# Altium PCB PonyProgFT.PcbDoc (continued)
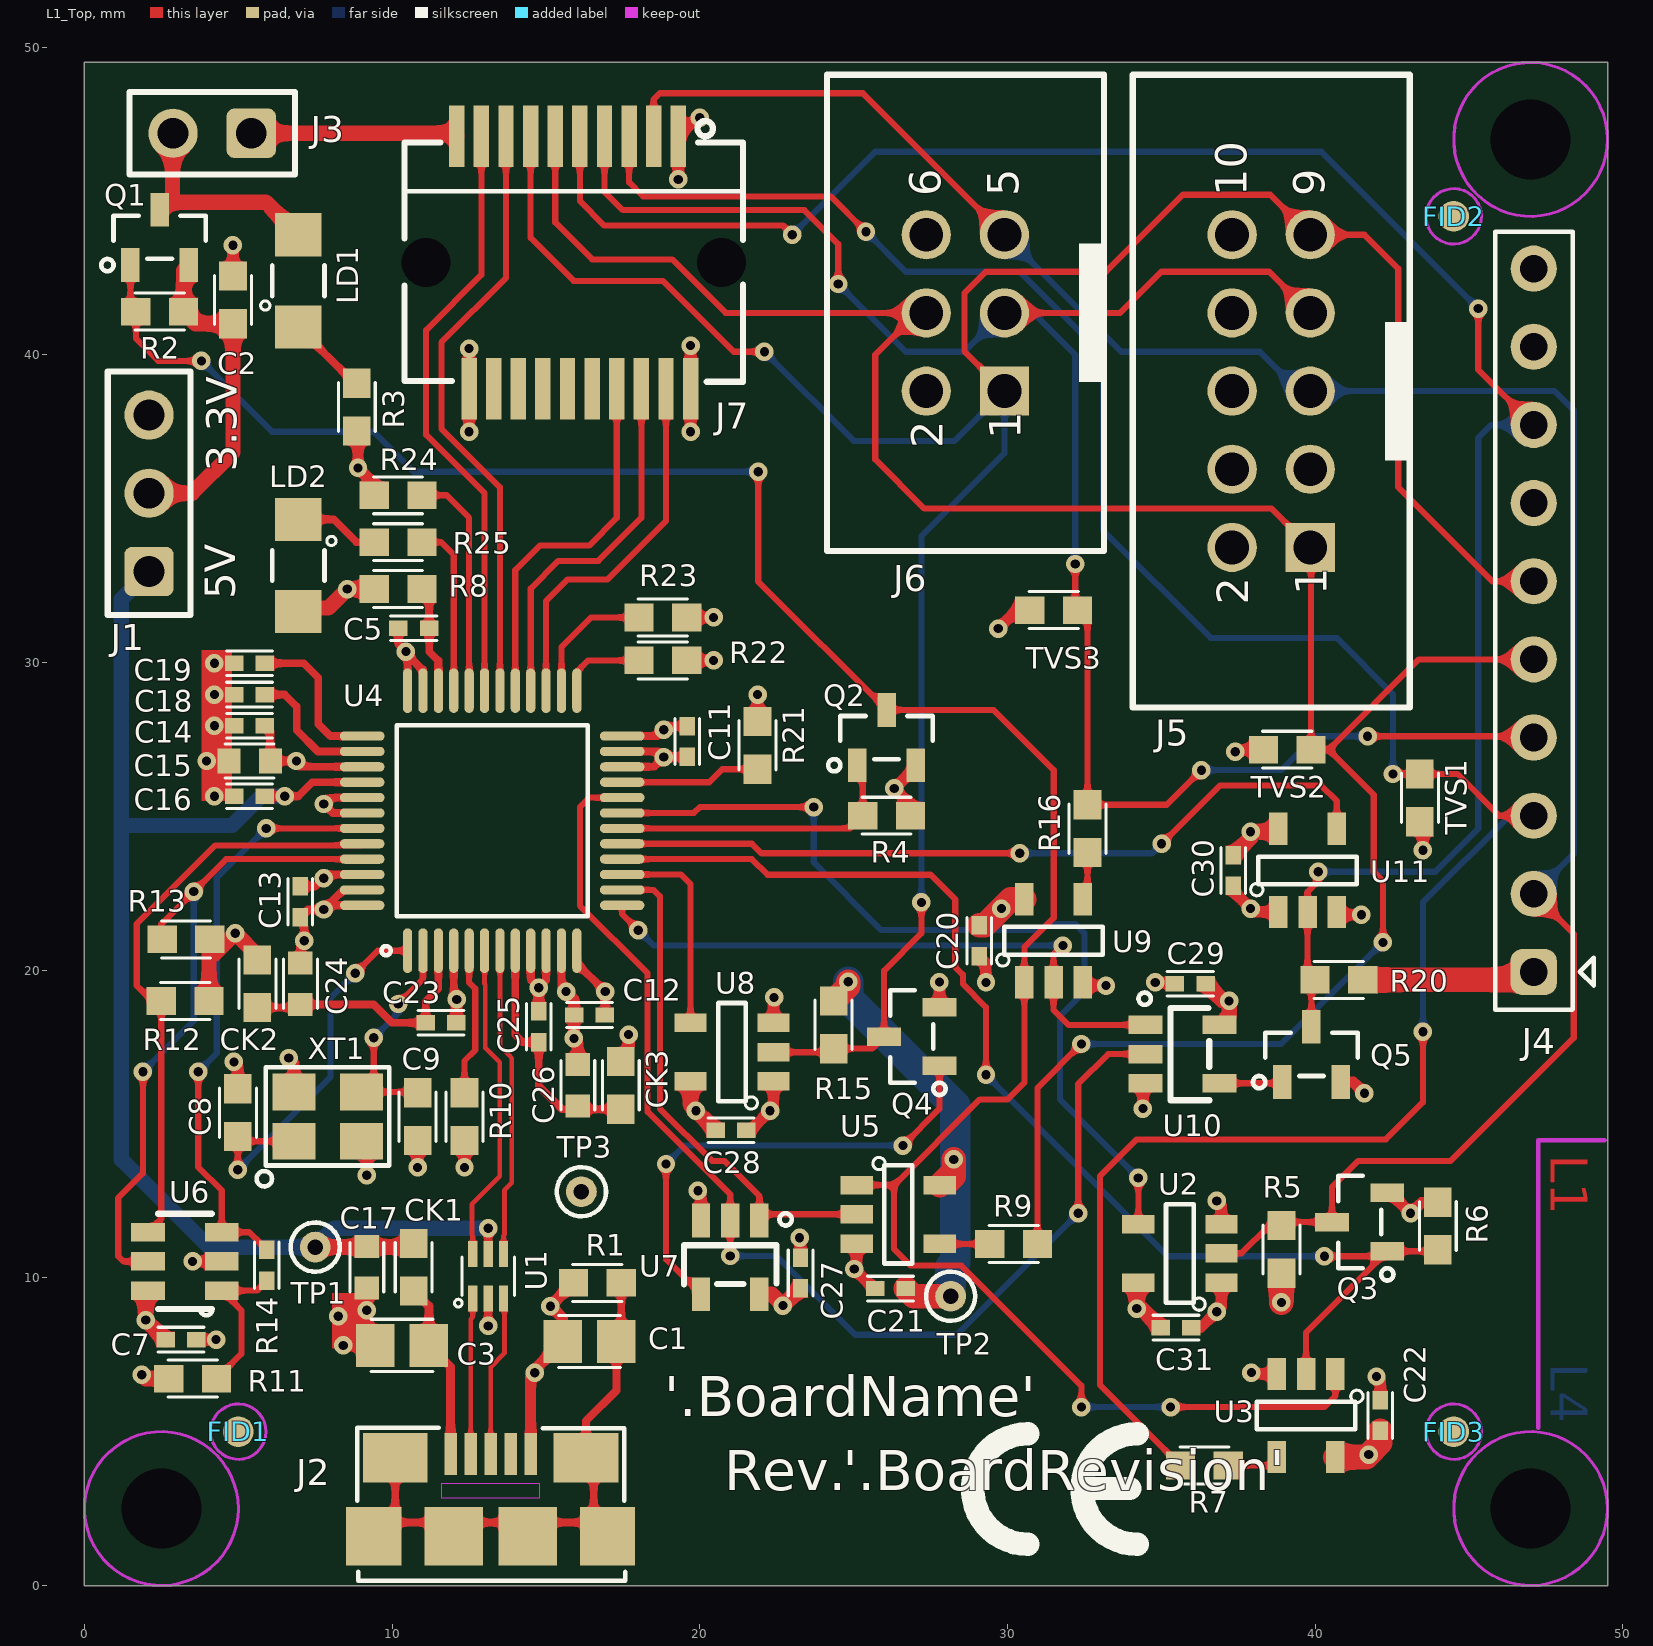
[diagram p0: L1_Top view]
## Components (designator, comment, footprint, x,y, rotation, side; value= is the part's Value field where it differs from the comment)
C1 "10nF/50V/0805/10%" C0805_M 16.415,7.931 r180 top
C2 "1uF/10V/0603/10%" C0603_M 4.826,41.783 r90 top
C3 "10nF/50V/0805/10%" C0805_M 10.319,7.804 r180 top
C5 "10nF/25V/0402/10%" C0402_H 10.7,31.115 r180 top
C7 "100nF/16V/0402/10%" C0402_H 3.134,7.993 r0 top
C8 "18pF/50V/0603/5%" C0603_M 4.985,15.367 r270 top
C9 "18pF/50V/0603/5%" C0603_M 10.827,15.24 r90 top
C11 "100nF/16V/0402/10%" C0402_H 19.59,27.432 r270 top
C12 "100nF/16V/0402/10%" C0402_H 16.415,18.542 r180 top
C13 "100nF/16V/0402/10%" C0402_H 7.017,22.225 r270 top
C14 "100nF/16V/0402/10%" C0402_H 5.366,27.94 r180 top
C15 "4.7uF/10V/0603/10%" C0603_H 5.366,26.797 r180 top
C16 "100nF/16V/0402/10%" C0402_H 5.366,25.654 r180 top
C17 "4.7uF/10V/0603/10%" C0603_H 9.176,10.344 r270 top
C18 "100nF/16V/0402/10%" C0402_H 5.366,28.956 r180 top
C19 "100nF/16V/0402/10%" C0402_H 5.366,29.972 r180 top
C20 "100nF/16V/0402/10%" C0402_H 29.083,20.955 r270 top
C21 "100nF/16V/0402/10%" C0402_H 26.194,9.652 r180 top
C22 "100nF/16V/0402/10%" C0402_H 42.118,5.524 r90 top
C23 "100nF/16V/0402/10%" C0402_H 11.589,18.288 r0 top
C24 "4.7uF/10V/0603/10%" C0603_H 7.017,19.558 r90 top
C25 "100nF/16V/0402/10%" C0402_H 14.764,18.161 r90 top
C26 "4.7uF/10V/0603/10%" C0603_H 16.034,16.256 r90 top
C27 "100nF/16V/0402/10%" C0402_H 23.273,10.16 r90 top
C28 "100nF/16V/0402/10%" C0402_H 21.014,14.794 r0 top
C29 "100nF/16V/0402/10%" C0402_H 35.941,19.558 r180 top
C30 "100nF/16V/0402/10%" C0402_H 37.338,23.241 r270 top
C31 "100nF/16V/0402/10%" C0402_H 35.474,8.383 r0 top
CK1 "600@100MHz/1A/0603" C0603_M 10.7,10.344 r270 top
CK2 "600@100MHz/1A/0603" C0603_M 5.62,19.558 r270 top
CK3 "600@100MHz/1A/0603" C0603_M 17.431,16.256 r270 top
FID1 "Fiducial" FID_1MM 5,5 r90 top locked
FID2 "Fiducial" FID_1MM 44.5,44.5 r90 top
FID3 "Fiducial" FID_1MM 44.5,5 r90 top
J1 "61300311121" CON_WE_61300311121 2.1,35.5 r90 top
J2 "10118192-0001LF" CON_FCI_10118192 13.2,1.6 r0 top locked
J3 "61300211121" CON_WE_61300211121 4.15,47.2 r180 top
J4 "75915-310LF" CON_FCI_75915-310LF 47.1,19.94 r90 top locked
J5 "61201021621" CON_WE_61201021621 38.57,38.82 r90 top locked
J6 "61200621621" CON_WE_61200621621 28.63,41.36 r90 top locked
J7 "10056847-101LF" CON_FCI_10056847-101LF 15.9,43 r180 top locked
LD1 "Red" LED_WL-SMCW_1206 6.95,42.4 r90 top
LD2 "Red" LED_WL-SMCW_1206 6.95,33.15 r270 top
Q1 "FDV304P" SOT23-3_H 2.445,43.815 r90 top
Q2 "BSS138" SOT23-3_H 26.067,27.559 r90 top
Q3 "BSS138" SOT23-3_H 41.443,11.812 r180 top
Q4 "BSS138" SOT23-3_H 26.888,17.842 r180 top
Q5 "BSS138" SOT23-3_H 39.878,17.261 r90 top
R1 "100K/1%/0603" C0603_M 16.669,9.836 r180 top
R2 "10K/1%/0603" C0603_M 2.445,41.402 r180 top
R3 "1K/1%/0603" C0603_M 8.85,38.3 r270 top
R4 "10K/1%/0603" C0603_M 26.067,25.019 r0 top
R5 "10K/1%/0603" C0603_M 38.903,10.923 r90 top
R6 "10K/1%/0603" C0603_M 43.983,11.685 r90 top
R7 "100R/1%/0603" C0603_M 36.4,3.9 r180 top
R8 "10K/1%/0603" C0603_M 10.192,32.385 r180 top
R9 "100R/1%/0603" C0603_M 30.2,11.1 r0 top
R10 "12K/1%/0603" C0603_M 12.351,15.24 r90 top
R11 "10K/1%/0603" C0603_M 3.515,6.723 r0 top
R12 "10K/1%/0603" C0603_M 3.272,18.996 r180 top
R13 "10K/1%/0603" C0603_M 3.3,21 r180 top
R14 "2.2K/1%/0402" C0402_H 5.928,10.406 r90 top
R15 "10K/1%/0603" C0603_M 24.348,18.223 r90 top
R16 "100R/1%/0603" C0603_M 32.6,24.6 r90 top
R20 "10K/1%/0603" C0603_M 40.767,19.685 r180 top
R21 "1K/1%/0603" C0603_M 21.876,27.305 r270 top
R22 "1K/1%/0603" C0603_M 18.796,30.067 r180 top
R23 "1K/1%/0603" C0603_M 18.796,31.464 r180 top
R24 "1K/1%/0603" C0603_M 10.192,35.433 r0 top
R25 "1K/1%/0603" C0603_M 10.192,33.909 r180 top
TP1 "non montare" TP-1MM 7.5,11 r90 top
TP2 "non montare" TP-1MM 28.15,9.4 r90 top
TP3 "non montare" TP-1MM 16.15,12.8 r90 top
TVS1 "82356050560" C0603_M 43.4,25.6 r90 top
TVS2 "82356050560" C0603_M 39.092,27.164 r0 top
TVS3 "82356050560" C0603_M 31.5,31.7 r0 top
U1 "USBLC6-2P6" SOT-666_M 13.121,10.053 r90 top
U2 "M74VHC1GT125DT1G" TSOP5-ON 35.601,10.796 r180 top
U3 "M74VHC1GT125DT1G" TSOP5-ON 39.705,5.524 r270 top
U4 "FT232HL" LQFP48_P50_M-STM 13.252,24.858 r90 top
U5 "M74VHC1GT125DT1G" TSOP5-ON 26.448,12.065 r0 top
U6 "93LC56BT-I/OT" SOT23-6_M 3.261,10.533 r180 top
U7 "74LVC1G02GV,125" SOT23-5_M 20.987,10.668 r270 top
U8 "M74VHC1GT125DT1G" TSOP5-ON 21.046,17.334 r180 top
U9 "M74VHC1GT125DT1G" TSOP5-ON 31.496,20.955 r90 top
U10 "74LVC1G02GV,125" SOT23-5_M 35.687,17.272 r0 top
U11 "M74VHC1GT125DT1G" TSOP5-ON 39.751,23.241 r90 top
XT1 "12MHz/Cap/4-SMD, 3.2x2.5mm" XTAL-NX3225SA 7.906,15.24 r0 top

## Footprints (in the part's own frame and the unit in brackets; to place one, negate y for a bottom-side part, rotate by r counter-clockwise, add the part's x,y. Pads: shape width x height; smd on the part's side, far side on the other; paste and mask are expansions set on the pad)
C0402_H [mm] "Chip 2-Leads, Body 1,0x0,5mm, IPC High Density"
  rect 0.6x0.5 smd: 1(-0.5,0) 2(0.5,0)
  silkscreen extent -0.75,-0.4 0.75,0.4, body extent -0.53,-0.28 0.53,0.28, height 0.55
C0603_H [mm] "Chip, 2-Leads, Body 1,6x0,8mm, IPC High Density"
  rect 0.75x0.8 smd: 1(-0.675,0) 2(0.675,0)
  silkscreen extent -0.8,-0.55 0.8,0.55, body extent -0.85,-0.45 0.85,0.45, height 0.9
C0603_M [mm] "Chip 2-Leads, Body 1,6x0,8mm, IPC Medium Density"
  rect 0.95x0.9 smd: 1(-0.775,0) 2(0.775,0)
  silkscreen extent -0.8,-0.6 0.8,0.6, body extent -0.85,-0.45 0.85,0.45, height 0.9
C0805_M [mm] "Chip  2-Leads, Body 2,0x1,3mm, IPC Medium Density"
  rect 1.25x1.4 smd: 1(-0.875,0) 2(0.875,0)
  silkscreen extent -1,-0.85 1,0.85, body extent -1.1,-0.72 1.1,0.73, height 1.35
CON_FCI_75915-310LF [mm]
  rrect50% 1.5x1.5 hole 0.9: 1(0,0)
  round 1.5 hole 0.9: 2(2.54,0) 3(5.08,0) 4(7.62,0) 5(10.16,0) 6(12.7,0) 7(15.24,0) 8(17.78,0) 9(20.32,0) 10(22.86,0)
  silkscreen extent -1.23,-1.95 24.05,1.25, body extent -1.26,-1.25 24.06,1.25, height 8.5
CON_FCI_10056847-101LF [mm]
  round 0.1 hole 1.6 unplated: 0(-4.8,0) 0(4.8,0)
  rect 0.5x2 smd: 1(-3.4,-4.1) 2(-2.6,-4.1) 3(-1.8,-4.1) 4(-1,-4.1) 5(-0.2,-4.1) 6(0.6,-4.1) 7(1.4,-4.1) 8(2.2,-4.1) 9(3,-4.1) 10(3.8,-4.1) 11(3.4,4.1) 12(2.6,4.1) 13(1.8,4.1) 14(1,4.1) 15(0.2,4.1) 16(-0.6,4.1) 17(-1.4,4.1) 18(-2.2,4.1) 19(-3,4.1) 20(-3.8,4.1)
  silkscreen extent -5.5,-4.6 5.5,3.87, body extent -5.5,-4.5 5.5,4.53, height 5.37
CON_FCI_10118192 [mm]
  rect 0.4x1.35 smd: 1(-1.3,2.675) 2(-0.65,2.675) 3(0,2.675) 4(0.65,2.675) 5(1.3,2.675)
  rect 1.8x1.9 smd: S1(-3.8,0) S2(3.8,0)
  rect 2.1x1.6 smd: S1(-3.1,2.55) S2(3.1,2.55)
  rect 1.9x1.9 smd: S1(-1.2,0) S2(1.2,0)
  L1_Top keep-out region: -1.6,1.25 1.6,1.25 1.6,1.7 -1.6,1.7
  silkscreen extent -4.33,-1.45 4.37,3.53, body extent -3.96,-2.72 3.96,2.94, height 2.79
CON_WE_61200621621 [mm] "6 pins, straight, gold plating"
  rect 1.6x1.6 hole 1.1: 1(-2.54,-1.27)
  round 1.6 hole 1.1: 2(-2.54,1.27) 3(0,-1.27) 4(0,1.27) 5(2.54,-1.27) 6(2.54,1.27)
  silkscreen extent -7.74,-4.5 7.74,4.5, body extent -7.64,-4.43 7.64,4.75, height 9.13
CON_WE_61201021621 [mm] "10 pins, straight, gold plating"
  rect 1.6x1.6 hole 1.1: 1(-5.08,-1.27)
  round 1.6 hole 1.1: 2(-5.08,1.27) 3(-2.54,-1.27) 4(-2.54,1.27) 5(0,-1.27) 6(0,1.27) 7(2.54,-1.27) 8(2.54,1.27) 9(5.08,-1.27) 10(5.08,1.27)
  silkscreen extent -10.28,-4.5 10.28,4.5, body extent -10.18,-4.42 10.18,4.75, height 9.13
CON_WE_61300211121 [mm] "Pin Header, pitch 2.54 mm, THT, Vertical, single row, 2p"
  rrect30% 1.6x1.6 hole 1: 1(-1.27,0)
  round 1.6 hole 1: 2(1.27,0)
  silkscreen extent -2.69,-1.35 2.69,1.35, body extent -2.54,-1.27 2.54,1.27, height 8.57
CON_WE_61300311121 [mm] "Pin Header, pitch 2.54 mm, THT, Vertical, single row, 3p"
  rrect30% 1.6x1.6 hole 1: 1(-2.54,0)
  round 1.6 hole 1: 2(0,0) 3(2.54,0)
  silkscreen extent -3.96,-1.35 3.96,1.35, body extent -3.81,-1.27 3.81,1.27, height 8.57
FID_1MM [mm]
  round 1 smd paste-0.5 mask+0.3: 1(0,0)
  L1_Top keep-out circle w0.1: c0,0 r0.9
LED_WL-SMCW_1206 [mm] "SMD Mono-color Chip LED, body 3.2x1.6mm"
  rect 1.4x1.5 smd: A(1.5,0) K(-1.5,0)
  silkscreen extent -0.95,-0.85 0.5,1.22, body extent -1.6,-0.8 1.6,0.8, height 0.7
LQFP48_P50_M-STM [mm] "TSQFP, 48-Leads, Body 7,00x7,00mm, Pitch 0,50mm, IPC Medium Density"
  oval 1.45x0.3 smd: 1(-4.225,2.75) 2(-4.225,2.25) 3(-4.225,1.75) 4(-4.225,1.25) 5(-4.225,0.75) 6(-4.225,0.25) 7(-4.225,-0.25) 8(-4.225,-0.75) 9(-4.225,-1.25) 10(-4.225,-1.75) 11(-4.225,-2.25) 12(-4.225,-2.75) 25(4.225,-2.75) 26(4.225,-2.25) 27(4.225,-1.75) 28(4.225,-1.25) 29(4.225,-0.75) 30(4.225,-0.25) 31(4.225,0.25) 32(4.225,0.75) 33(4.225,1.25) 34(4.225,1.75) 35(4.225,2.25) 36(4.225,2.75)
  oval 0.3x1.45 smd: 13(-2.75,-4.225) 14(-2.25,-4.225) 15(-1.75,-4.225) 16(-1.25,-4.225) 17(-0.75,-4.225) 18(-0.25,-4.225) 19(0.25,-4.225) 20(0.75,-4.225) 21(1.25,-4.225) 22(1.75,-4.225) 23(2.25,-4.225) 24(2.75,-4.225) 37(2.75,4.225) 38(2.25,4.225) 39(1.75,4.225) 40(1.25,4.225) 41(0.75,4.225) 42(0.25,4.225) 43(-0.25,4.225) 44(-0.75,4.225) 45(-1.25,4.225) 46(-1.75,4.225) 47(-2.25,4.225) 48(-2.75,4.225)
  silkscreen extent -4.37,-3.1 3.1,3.6, body extent -4.5,-4.5 4.5,4.5, height 1.6
SOT23-3_H [mm] "SOT23, 3-Leads, Body 3,0x2,5mm (max), Pitch 0,95mm, IPC High Density"
  rect 1.1x0.6 smd: 1(-0.9,0.95) 2(-0.9,-0.95) 3(0.9,0)
  silkscreen extent -1.1,-1.5 0.7,1.9, body extent -1.25,-1.5 1.25,1.5, height 1.13
SOT23-5_M [mm] "SOT23, 5-Leads, Body 3,0x3,0mm (max), Pitch 0,95mm, IPC Medium Density"
  rect 1.1x0.6 smd: 1(-1.2,0.95) 2(-1.2,0) 3(-1.2,-0.95) 4(1.2,-0.95) 5(1.2,0.95)
  silkscreen extent -1.43,-1.5 0.88,2, body extent -1.5,-1.55 1.5,1.55, height 1.1
SOT23-6_M [mm] "SOT23, 6-Leads, Body 3,1x3,0mm (max), Pitch 0,95mm, IPC Medium Density"
  rect 1.1x0.6 smd: 1(-1.2,0.95) 2(-1.2,0) 3(-1.2,-0.95) 4(1.2,-0.95) 5(1.2,0) 6(1.2,0.95)
  silkscreen extent -0.9,-1.55 0.87,1.75, body extent -1.4,-1.45 1.4,1.45, height 1.46
SOT-666_M [mm] "SOT666 (SC-89), 6-Leads, Body 1,7x1,7mm (max), Pitch 0,50mm, IPC Medium Density"
  rect 0.85x0.3 smd: 1(-0.725,0.5) 2(-0.725,0) 3(-0.725,-0.5) 4(0.725,-0.5) 5(0.725,0) 6(0.725,0.5)
  silkscreen extent -1,-0.85 0.62,1.09, body extent -0.63,-0.85 0.63,0.85, height 0.6
TP-1MM [mm] "TP foro=0.5mm pad=1mm"
  round 1 hole 0.5: 1(0,0)
  silkscreen extent -0.8,-0.8 0.8,0.8
TSOP5-ON [mm] "SOT23, 5-Leads, Body 3,00x2,75mm, Pitch 0,95mm, IPC Medium Density"
  rect 1.05x0.6 smd: 1(-1.35,0.95) 2(-1.35,0) 3(-1.35,-0.95) 4(1.35,-0.95) 5(1.35,0.95)
  silkscreen extent -0.82,-1.6 0.45,1.85, body extent -1.5,-1.58 1.5,1.58, height 1.1
XTAL-NX3225SA [mm] "crystal 3.2x2.5mm 4pin"
  rect 1.4x1.2 smd: 1(-1.1,-0.8) 2(1.1,-0.8) 3(1.1,0.8) 4(-1.1,0.8)
  silkscreen extent -2.31,-2.27 2,1.61, body extent -1.68,-1.32 1.69,1.31, height 0.81

## Part data
C1 C3: library part CX7R10N50V10%0805_CL, "Chip Ceramic Capacitor X7R 0805 10nF 50V 10%"
C2: library part CX5R1U10V10%0603_GRM, "Chip Ceramic Capacitor X5R 0603 1uF 10V 10%"
C5: library part CX7R10N25V10%0402_GRM, "Chip Ceramic Capacitor X7R 0402 10nF 25V 10%"
C7 C11 C12 C13 C14 C16 C18 C19 C20 C21 C22 C23 C25 C27 C28 C29 C30 C31: library part CX7R100N16V10%0402_GRM, "Chip Ceramic Capacitor X7R 0402 100nF 16V 10%"
C8 C9: library part CCOG18P50V5%0603_KEMET, "Chip Ceramic Capacitor C0G 0603 18pF 50V 5%"
C15 C17 C24 C26: library part CX5R4.7U10V10%0603_TDK, "Chip Ceramic Capacitor X5R 0603 4.7uF 10V 10%"
CK1 CK2 CK3: library part FCB600Z1A0603MPZ, "Ferrite Chip Beads SMD 0603 600@100MHz 1A"
FID1 FID2 FID3: library part FID, "Fiducial (non montare)"
J1: library part CON_WE_61300311121, "THT Vertical Pin Header Male WR-PHD, Pitch 2.54 mm, Single Row, 3 pins"
J2: library part CON_FCI_10118192-0001LF, "Micro-USB Type-B, right-angle, horizontal receptacle"
J3: library part CON_WE_61300211121, "THT Vertical Pin Header Male WR-PHD, Pitch 2.54 mm, Single Row, 2 pins"
J4: library part CON_FCI_75915-310LF, "CONN RCPT 10POS 0.1 GOLD PCB"
J5: library part CON_WE_61201021621, "Male Box Header WR-BHD, THT, Vertical, pitch 2.54 mm, 10 pins"
J6: library part CON_WE_61200621621, "Male Box Header WR-BHD, THT, Vertical, pitch 2.54 mm, 6 pins"
J7: library part CON_FCI_10056847-101LF, "Connector edge dual female 20 pos, 0.8pitch"
LD1 LD2: library part LED_WE_150120RS75000, "Chip LED SMD WL-SMCW, size 1206, Red, 2V, 140 deg, 150 mcd"
Q1: library part IC_FDV304P, "IC MOSFET P-CH 25V 460mA SOT-23"
Q2 Q3 Q4 Q5: library part IC_BSS138, "MOSFET N-CH 50V 0.22A SOT-23"
R1: library part CRES100K1%100P0603T_CRCW, "Chip Resistor 0603 100K 1% 100ppm"
R2 R4 R5 R6 R8 R11 R12 R13 R15 R20: library part CRES10K1%100P0603T_CRCW, "Chip Resistor 0603 10K 1% 100ppm"
R3 R21 R22 R23 R24 R25: library part CRES1K1%100P0603T_CRCW, "Chip Resistor 0603 1K 1% 100ppm"
R7 R9 R16: library part CRES100R1%100P0603T_CRCW, "Chip Resistor 0603 100R 1% 100ppm"
R10: library part CRES12K1%100P0603T_CRCW, "Chip Resistor 0603 12K 1% 100ppm"
R14: library part CRES2.2K1%100P0402U_CRCW, "Chip Resistor 0402 2.2K 1% 100ppm"
TP1 TP2 TP3: library part TP_TPH-1MM, "Test Point, D=1mm (Foro 0.5mm), non montare"
TVS1 TVS2 TVS3: library part TVSP_WE-82356050560, "Chip ESD suppressor bidirectional 5V 0603"
U1: library part IC_USBLC6-2P6, "TVS 2 line, Low cap, 5V, SOT666"
U2 U3 U5 U8 U9 U11: library part IC_M74VHC1GT125DT, "IC BUFFER NON-INVERT 5.5V 5-TSOP"
U4: library part IC_FT232HL, "IC HS USB TO UART/FIFO 48LQFP"
U6: library part IC_93LC56BT-I/OT, "IC EEPROM 2K SPI 2MHz SOT23-6"
U7 U10: library part IC_74LVC1G02GV, "IC GATE NOR 1CH 2-INP 5-TSOP"
XT1: library part XTAL_NX3225SA-12MHZ-STD-CSR-6, "Xtal SMD 12MHz 8pF 25ppm (-40 to 85)"

## Free pads (board coordinates)
  round 0.1 hole 2.6 unplated: 0(2.5,2.5) 0(47,2.5) 0(47,47)

## Via types
v1: diameter 0.6, hole 0.3, L1_Top to L4_Bottom, tented both sides, 119 vias

## Nets (pads, with @x,y where several pads share a name; then routed paths per layer and width w, separated by ;. In a path a pad name is that pad's centre, name@x,y a point inside that pad or via, vN(x,y) a via of type N, cw(c..) or ccw(c..) an arc to the next point about the centre after c; other vN are vias at no path point)
B_CLK: U4.13 U9.2 U10.1 | length 20.4
  L1_Top w0.2: U4.13 17.477,21.823 v1(18,21.3) ; v1(31.8,20.8) 31.496,20.496 U9.2 31.496,18.704 31.978,18.222 U10.1
  L4_Bottom w0.2: v1(18,21.3) 18.5,20.8 v1(31.8,20.8)
B_CLKIN: U4.17 U11.4 | length 25.4
  L1_Top w0.2: U4.17 21.692,24.108 22,23.8 v1(30.4,23.8) ; v1(35.008,24.108) 36.9,26 40.2,26 40.701,25.499 U11.4
  L4_Bottom w0.2: v1(30.4,23.8) 34.7,23.8 v1(35.008,24.108)
B_CTRL: Q3.1 R6.1 U3.2 U4.16 | length 39.5
  L1_Top w0.2: U4.16 21.692,23.608 22.2,23.1 27.5,23.1 28.3,22.3 28.3,20.1 28.548,19.852 28.548,19.552 29.3,18.8 v1(29.3,16.6) ; U3.2 39.705,8.224 Q3.1@42.181,10.7 ; v1(40.3,10.7) Q3.1@42.181,10.7 ; R6.1 43.935,10.862 Q3.1 Q3.1@42.181,10.7
  L4_Bottom w0.2: v1(29.3,16.6) 35.2,10.7 v1(40.3,10.7)
B_CTRLIN: U2.4 U4.19 | length 28.9
  L1_Top w0.2: U4.19 19.808,25.108 20,25.3 v1(23.7,25.3) ; U2.4 v1(34.251,13.249)
  L4_Bottom w0.2: v1(23.7,25.3) 23.7,23.5 25.9,21.3 31.1,21.3 31.3,21.5 32.2,21.5 32.5,21.2 32.5,19.3 31.7,18.5 31.7,15.8 v1(34.251,13.249)
B_DIN: U4.15 U8.4 | length 6.9
  L1_Top w0.2: U4.15 19.392,23.108 19.696,22.804 U8.4
B_DOUT: U4.14 U5.2 U7.1 | length 16.7
  L1_Top w0.2: U4.14 18.492,22.608 18.7,22.4 18.7,15.5 20.4,13.8 20.8,13.8 21.937,12.663 U7.1 22.134,12.065 U5.2
B_ONOFF: Q2.1 R4.1 U4.18 | length 9.7
  L1_Top w0.2: U4.18 24.881,24.608 R4.1 25.292,26.484 Q2.1
C_CLK: J4.4 J5.7 J6.3 J7.4 R16.2 TVS3.2 | length 62.4
  L1_Top w0.2: J7.4 16.9,45.3 17.5,44.7 23.4,44.7 24.5,43.6 v1(24.5,42.3) ; J6.3 33.66,41.36 35,42.7 38.5,42.7 J5.7 ; v1(32.2,33.2) 32.2,31.775 TVS3.2 32.6,31.375 R16.2 35.175,25.375 v1(36.3,26.5) ; v1(41.7,27.6) 47.06,27.6 J4.4
  L4_Bottom w0.2: v1(24.5,42.3) 26.7,40.1 28.6,40.1 29.86,41.36 J6.3 30.84,41.36 32.2,40 v1(32.2,33.2) ; v1(36.3,26.5) 38.9,26.5 40,27.6 v1(41.7,27.6)
C_CTRL: J4.3 J7.3 R7.2 TVS1.2 | length 77.5
  L1_Top w0.2: J7.3 17.7,45.6 18.152,45.148 24.252,45.148 v1(25.4,44) ; R7.2 33,6.525 33,13.3 34.2,14.5 42.3,14.5 43.5,15.7 v1(43.5,18) ; v1(42.525,26.375) TVS1.2 44.625,26.375 45.98,25.02 J4.3
  L4_Bottom w0.2: v1(25.4,44) 26.7,42.7 30.4,42.7 33.1,40 33.1,34.3 36.6,30.8 40.7,30.8 42.525,28.975 v1(42.525,26.375) ; v1(43.5,18) 43.5,22.2 46.32,25.02 J4.3
C_CTRLOD: J4.2 J5.5 J6.5 J7.2 Q3.3 R5.2 U2.2 | length 71.9
  L1_Top w0.2: J7.2 18.5,48.3 18.7,48.5 25.3,48.5 J6.5 ; U2.2 37.596,10.796 38.498,11.698 R5.2 39.017,11.812 Q3.3 40.543,12.943 41.4,13.8 44.4,13.8 48.4,17.8 48.4,21.18 J4.2
  L4_Bottom w0.2: J6.5 33.7,40.1 38.2,40.1 39.48,38.82 J5.5 47.78,38.82 48.4,38.2 48.4,23.78 J4.2
C_DOUT: J4.5 J5.1 J6.4 J7.6 R9.2 TVS2.2 | length 77
  L1_Top w0.2: J7.6 15.3,44.3 16.5,43.1 19.1,43.1 20.84,41.36 J6.4@27.06,41.36 ; J6.4 J6.4@27.06,41.36 ; R9.2 30.975,16.175 v1(32.4,17.6) ; v1(42.2,20.9) 42.2,22.9 41.9,23.2 41.9,25.7 40.436,27.164 ; J4.5 43.372,30.1 40.436,27.164 ; J6.4@27.06,41.36 25.7,40 25.7,36.6 27.3,35 38.58,35 J5.1 39.867,33.713 TVS2.2 40.436,27.164
  L4_Bottom w0.2: v1(32.4,17.6) 38.9,17.6 v1(42.2,20.9)
C_SCL: J4.8 J7.5 Q5.3 R20.2 U11.2 | length 65.2
  L1_Top w0.2: J7.5 16.1,45 16.9,44.2 22.7,44.2 v1(23,43.9) ; Q5.3 39.878,19.571 39.751,19.698 U11.2 39.751,22.551 40.1,22.9 v1(40.1,23.2) ; v1(45.3,41.5) 45.3,39.52 J4.8
  L4_Bottom w0.2: v1(23,43.9) 25.7,46.6 40.2,46.6 v1(45.3,41.5) ; v1(40.1,23.2) 43.9,23.2 45.3,24.6 45.3,37.3 45.72,37.72 J4.8
C_SDA: J4.6 J5.9 J6.1 J7.7 Q4.3 R15.1 U8.2 | length 81.4
  L1_Top w0.2: J7.7 14.5,43.8 15.9,42.4 18.8,42.4 21.1,40.1 v1(22.1,40.1) ; U8.2 24.234,17.334 R15.1 25.594,17.448 Q4.3 25.988,19.988 27.2,21.2 v1(27.2,22.2) ; J6.1 28.6,40.12 28.6,42 29.3,42.7 33.2,42.7 35.7,45.2 38.54,45.2 J5.9 41.6,43.9 42.7,42.8 42.7,35.7 45.76,32.64 J4.6
  L4_Bottom w0.2: v1(22.1,40.1) 25,37.2 28.28,37.2 J6.1 29.9,36.8 27.2,34.1 v1(27.2,22.2)
EECLK: R12.2 U4.44 U6.4 | length 19.1
  L1_Top w0.2: U6.4 2.497,11.919 R12.2 2.204,18.996 1.7,19.5 1.7,21.5 4.256,24.056 8.975,24.056 U4.44
EECS: R13.2 U4.45 U6.5 | length 21.8
  L1_Top w0.2: v1(1.9,16.7) 1.9,13.4 1.1,12.6 1.1,10.7 1.267,10.533 U6.5 ; R13.2@2.497,21 2.497,21.497 v1(3.552,22.552) 4.608,23.608 U4.45
  L4_Bottom w0.2: v1(1.9,16.7) 3.552,18.353 v1(3.552,22.552)
EEDATA: R14.2 U4.43 U6.3 | length 19.2
  L1_Top w0.2: v1(3.7,16.7) 3.7,13.6 4.461,12.839 U6.3 5.351,11.483 R14.2 ; v1(5.908,24.608) U4.43
  L4_Bottom w0.2: v1(3.7,16.7) 4.3,17.3 4.3,23 v1(5.908,24.608)
EXPID0: J7.19 U4.27 | length 12.2
  L1_Top w0.2: U4.27 15.002,32.002 15.7,32.7 17,32.7 18.9,34.6 J7.19
EXPID1: J7.18 U4.28 | length 12.1
  L1_Top w0.2: U4.28 14.502,32.402 15.4,33.3 16.7,33.3 18.1,34.7 J7.18
EXPID2: J7.17 U4.29 | length 12.1
  L1_Top w0.2: U4.29 14.002,33.002 14.8,33.8 16.4,33.8 17.3,34.7 J7.17
EXPID3: J7.8 U4.30 | length 19.7
  L1_Top w0.2: U4.30 13.502,35.698 11.6,37.6 11.6,40.4 13.7,42.5 J7.8
EXPID4: J7.9 U4.31 | length 19.6
  L1_Top w0.2: J7.9 12.9,42.6 11.1,40.8 11.1,37.4 13.002,35.498 U4.31
GND: C1.2 C2.2 C3.2 C5.2 C7.2 C8.1 C9.1 C11.2 C12.2 C13.2 C14.2 C15.2 C16.2 C17.2 C18.2 C19.2 C20.2 C21.2 C22.2 C23.2 C24.2 C25.2 C26.2 C27.2 C28.2 C29.2 C30.2 C31.2 J2.5 J4.10 J5.4 J5.6 J5.8 J5.10 J6.6 J7.1 J7.20 Q2.2 Q3.2 Q4.2 Q5.2 R1.2 R3.2 R4.2 R6.2 R10.1 R21.1 R22.1 R23.1 R24.1 TP3.1 TVS1.1 TVS2.1 TVS3.1 U1.2 U2.1 U2.3 U3.3 U4.4 U4.9 U4.10 U4.11 U4.22 U4.23 U4.35 U4.36 U4.41 U4.42 U4.47 U4.48 U5.3 U6.2 U7.3 U8.1 U8.3 U9.3 U10.3 U11.1 U11.3 XT1.2 XT1.4 | length 78.8
  L1_Top w0.25: C24.2 7.017,20.828 v1(7.144,20.955) 7.144,21.598 C13.2 7.263,21.971 v1(7.779,21.971) v1@7.916,22.108 ; U4.48 v1@7.916,22.108 ; U4.47 8.416,22.608 v1@7.916,22.108 ; U4.42 8.071,25.108 v1(7.779,25.4) 7.987,25.608 U4.41 ; C5.2 10.2,30.599 v1(10.446,30.353) 10.446,30.298 v1@10.502,30.242 ; U4.36 v1@10.502,30.242 ; U4.35 11.002,29.776 10.969,29.776 v1@10.502,30.242 ; U4.4 12.002,19.129 v1@12.089,19.042 ; v1(13.121,8.439) U1.2 ; U4.9 14.502,19.693 v1(14.764,19.431) 15.002,19.669 U4.10 ; U4.11 15.502,19.455 v1(15.653,19.304) ; U4.22 18.512,26.608 v1(18.828,26.924) ; U4.23 18.644,27.108 v1(18.828,26.924) ; C11.2 18.836,26.932 v1(18.828,26.924)
  L1_Top w0.35: v1(3.515,10.533) U6.2 ; C7.2 v1(4.277,7.993) ; C2.2 v1(4.826,43.561) ; v1(4.858,17.018) 4.985,16.891 C8.1 ; v1(6.636,17.145) 6.806,16.975 XT1.4 ; v1(8.414,7.804) C3.2 9.176,8.072 v1(9.176,8.947) C17.2 ; R3.2@8.89,37.543 v1(8.89,36.322) 9.417,35.795 R24.1 ; XT1.2 9.176,14.27 v1(9.176,13.335) ; v1(10.827,13.589) C9.1 ; C23.2 v1@12.089,19.042 ; v1(12.351,13.589) R10.1 ; J2.5@14.5,4.3 14.5,6.778 v1(14.637,6.915) 14.637,7.028 C1.2 15.54,8.692 15.145,9.087 R1.2 ; C25.2 v1(14.764,19.431) ; v1(15.653,19.304) 15.915,19.042 C12.2 15.907,18.534 v1(15.907,17.78) 16.034,17.653 C26.2 ; v1(19.3,45.7) J7.1 19.9,47.7 v1(20,47.7) ; R22.1 v1(20.447,30.067) ; R23.1 v1(20.447,31.464) ; v1(19.7,37.5) v1(19.7,40.3) ; v1(19.939,12.827) 20.037,12.729 U7.3 ; C28.2 21.649,14.794 v1(22.284,15.429) 22.396,15.541 U8.1 ; R21.1 v1(21.876,28.956) ; U8.3 22.396,19.097 v1(22.411,19.112) ; v1(23.241,11.303) 23.273,11.271 C27.2 ; U5.3 25.098,10.366 v1(25.019,10.287) 25.654,9.652 C21.2 ; R4.2 26.842,25.387 v1(26.321,25.908) 27.017,26.604 Q2.2 ; Q4.2 v1(27.788,19.612) ; C20.2 29.3,20.238 v1(29.3,19.6) ; v1(29.7,31.1) 30.3,31.7 TVS3.1 ; U9.3 32.551,19.5 v1(33.2,19.5) ; v1(34.4,15.5) 34.4,16.235 U10.3 ; v1(34.8,19.6) 35.399,19.6 C29.2 ; C31.2 36.283,8.383 v1(36.8,8.9) 36.951,9.051 U2.1 ; v1(36.8,12.5) 36.951,12.349 U2.3 ; C30.2 37.338,22.562 v1(37.9,22) 38.009,21.891 U11.1 ; v1(37.4,27.1) 37.464,27.164 TVS2.1 ; v1(37.927,6.921) 37.974,6.874 U3.3 ; U11.3 40.792,21.8 v1(41.5,21.8) ; Q5.2 41.239,16.361 v1(41.6,16) ; v1(41.991,6.794) 42.118,6.667 C22.2 ; Q3.2 42.438,12.762 v1(43.1,12.1) 43.46,12.46 R6.2 ; TVS1.1 43.5,24.725 v1(43.5,23.9)
  other v1: 8.25,8.75 15.145,9.074 12.097,19.05 4.223,25.654 3.969,26.797 4.223,27.94 4.223,28.956 4.223,29.972
NEN_BUS: U4.20 U7.2 U10.2 | length 38.9
  L1_Top w0.2: U4.20 16.408,25.608 16.1,25.3 16.1,22.1 18.3,19.9 18.3,15.4 20.987,12.713 U7.2 v1(20.987,10.713) ; v1(32.3,12.1) 32.3,16.3 33.272,17.272 U10.2
  L4_Bottom w0.2: v1(20.987,10.713) 22.487,10.713 25.05,8.15 28.35,8.15 v1(32.3,12.1)
NetC1_1: C1.1 J2.S1 J2.S2 R1.1 | length 18.1
  L1_Top w0.25: C1.1@17.444,8.085 R1.1
  L1_Top w0.254: J2.S1@10.1,4.15 10.1,2.45 9.7,2.05 16.55,2.05 16.55,4.2 J2.S2@17,4.65 ; J2.S2@16.3,4.15 16.3,5.35 17.29,6.34 C1.1 C1.1@17.444,8.085
NetC3_1: C3.1 CK1.2 J2.1 | length 5.9
  L1_Top w0.3: CK1.2 11.194,9.075 C3.1 11.9,7.098 J2.1 J2.1@11.9,4.2
NetC5_1: C5.1 R8.1 U4.34 | length 3.5
  L1_Top w0.254: R8.1 11.2,32.152 C5.1 11.208,31.107 11.208,30.353 11.502,30.059 U4.34
NetC8_2: C8.2 U4.1 XT1.1 | length 12.9
  L1_Top w0.2: v1(4.985,13.515) C8.2 5.137,14.44 XT1.1 ; v1(8.8,19.9) 9.533,20.633 U4.1
  L4_Bottom w0.2: v1(4.985,13.515) 8,16.53 8,19.1 v1(8.8,19.9)
NetC9_2: C9.2 U4.2 XT1.3 | length 7.3
  L1_Top w0.2: v1(9.4,17.8) 9.4,16.434 XT1.3 10.802,16.04 C9.2 ; v1(10.2,18.9) 11.002,19.702 U4.2
  L4_Bottom w0.2: v1(9.4,17.8) 10.2,18.6 v1(10.2,18.9)
NetFID1_1: FID1.1
NetFID2_1: FID2.1
NetFID3_1: FID3.1
NetJ2_4: J2.4
NetJ4_7: J4.7
NetJ4_9: J4.9
NetJ5_3: J5.3
NetJ7_12: J7.12
NetJ7_13: J7.13
NetJ7_14: J7.14
NetJ7_15: J7.15
NetJ7_16: J7.16
NetLD1_K: LD1.K R3.1 | length 2.7
  L1_Top w0.254: LD1.K 8.775,39.075 R3.1
NetLD2_K: LD2.K R25.2 | length 2.8
  L1_Top w0.254: LD2.K 8.103,34.65 8.844,33.909 R25.2
NetQ4_1: Q4.1 U7.4 | length 15.7
  L1_Top w0.2: v1(18.9,13.7) 18.9,10.605 U7.4 ; v1(26.6,14.3) 27.788,15.488 Q4.1
  L4_Bottom w0.2: v1(18.9,13.7) 19.5,14.3 v1(26.6,14.3)
NetQ5_1: Q5.1 U10.4 | length 2.1
  L1_Top w0.2: U10.4 38.889,16.322 Q5.1
NetR7_1: R7.1 U3.4 | length 1.7
  L1_Top w0.2: R7.1 38.481,3.9 U3.4
NetR9_1: R9.1 U5.4 | length 1.6
  L1_Top w0.2: U5.4 27.813,11.1 R9.1
NetR10_2: R10.2 U4.5 | length 4.8
  L1_Top w0.2: R10.2 12.351,17.051 12.7,17.4 12.7,19.4 12.502,19.598 U4.5
NetR11_2: R11.2 R14.1 U6.1 | length 5.1
  L1_Top w0.2: R11.2 5.1,7.533 5.1,8.944 U6.1 5.605,9.583 R14.1
NetR16_1: R16.1 U9.4 | length 1.6
  L1_Top w0.2: U9.4 32.6,22.459 R16.1
NetR21_2: R21.2 U4.21 | length 4.6
  L1_Top w0.2: U4.21 20.308,26.108 20.73,26.53 R21.2
NetR22_2: R22.2 U4.25 | length 2.8
  L1_Top w0.2: U4.25 16.002,29.702 16.367,30.067 R22.2
NetR23_2: R23.2 U4.26 | length 4.3
  L1_Top w0.2: U4.26 15.502,30.502 16.464,31.464 R23.2
NetR24_2: R24.2 U4.32 | length 7.5
  L1_Top w0.2: R24.2 11.767,35.433 12.502,34.698 U4.32
NetR25_1: R25.1 U4.33 | length 5.6
  L1_Top w0.2: R25.1 11.591,33.909 12.002,33.498 U4.33
NOE: Q1.1 Q2.3 R2.2 U3.1 U5.1 U9.1 | length 77.4
  L1_Top w0.2: Q1.1 1.495,41.577 R2.2 1.67,40.53 2.4,39.8 v1(3.8,39.8) ; v1(21.9,36.2) 21.9,32.626 Q2.3 29.541,28.459 31.5,26.5 31.5,21.7 30.546,20.746 U9.1 30.546,16.346 30,15.8 29.1,15.8 26.315,13.015 ; U5.1 26.315,13.015 ; v1(32.4,5.8) 32.4,6.5 28.502,10.398 26.852,10.398 26.315,10.935 26.315,13.015 ; v1(35.3,5.8) 40.3,5.8 40.655,6.155 U3.1
  L4_Bottom w0.2: v1(3.8,39.8) 6.1,37.5 9.4,37.5 10.7,36.2 v1(21.9,36.2) ; v1(32.4,5.8) v1(35.3,5.8)
USB0_N: U1.6 U4.6 | length 10.4
  L1_Top w0.152: U1.6 12.621,11.367 12.593,11.395 12.593,12.393 13.5,13.3 13.5,17 13.028,17.472 13.028,19.536 13.002,19.562 U4.6
USB0_P: U1.4 U4.7 | length 10.1
  L1_Top w0.152: U4.7 13.502,17.528 13.8,17.23 13.889,17.141 13.889,13.089 13.649,12.849 13.649,11.395 13.621,11.367 U1.4
USB_A_N: J2.2 U1.1 | length 5.1
  L1_Top w0.152: J2.2@12.55,4.25 J2.2 12.55,8.65 12.621,8.721 U1.1
USB_A_P: J2.3 U1.3 | length 5.3
  L1_Top w0.152: J2.3@13.2,4.2 J2.3 13.2,7.1 13.65,7.55 13.65,9.299 U1.3
VCC3V3: C7.1 C11.1 C12.1 C13.1 C14.1 C15.1 C27.1 C28.1 C29.1 C30.1 C31.1 CK2.1 CK3.1 J1.3 LD2.A R8.2 R11.1 R12.1 R13.1 U2.5 U4.12 U4.24 U4.39 U4.46 U6.6 U7.5 U8.5 U10.5 U11.5 | length 30.9
  L1_Top w0.254: C14.1 6.041,27.765 C15.1 v1(6.89,26.797) 7.079,26.608 U4.39 ; C13.1 7.517,22.725 v1(7.779,22.987) 7.9,23.108 U4.46 ; U4.12 16.002,20.225 v1(16.923,19.304) 16.923,18.55 C12.1 ; CK3.1 CK3.1@17.685,17.285 ; U4.24 18.623,27.608 v1(18.828,27.813) 18.947,27.932 C11.1
  L1_Top w0.35: CK3.1@17.685,17.285 v1(17.685,17.907)
  L1_Top w0.5: v1(1.864,6.85) 1.991,6.723 R11.1 ; U6.6 1.991,9.513 v1(1.991,8.628) 2.626,7.993 C7.1 ; R12.1 4.047,20.52 4.22,20.52 v1(4.9,21.2) 5.62,20.48 CK2.1 ; LD2.A 7.072,31.772 7.928,31.772 v1(8.541,32.385) R8.2 ; U8.5 19.696,15.604 v1(19.871,15.429) 19.879,15.429 C28.1 ; U7.5 22.332,9.468 v1(22.7,9.1) 23.26,9.66 C27.1 ; U2.5 34.2,9.795 v1(34.2,9) 34.357,9 C31.1 ; C29.1 36.999,19 v1(37.2,19) 37.2,18.535 U10.5 ; C30.1 37.9,24.303 v1(37.9,24.5) 38.71,24.5 U11.5
VCCA: C19.1 U4.37 | length 5
  L1_Top w0.254: C19.1 7.128,29.972 7.6,29.5 7.6,28 7.992,27.608 U4.37
VCCIN: C2.1 J1.2 Q1.2 R2.1 | length 10.8
  L1_Top w0.5: J1.2 3.5,35.5 4.826,36.826 C2.1 3.614,41.008 R2.1 3.22,42.74 Q1.2
VCCOUT: J3.2 LD1.A Q1.3 | length 7.4
  L1_Top w0.5: Q1.3 Q1.3@2.688,44.958 ; J3.2@2.86,47.2 2.86,45.13 Q1.3@2.688,44.958 ; LD1.A 5.892,44.958 Q1.3@2.688,44.958
VCCUSB: C16.1 C17.1 CK1.1 J1.1 TP1.1 U1.5 U4.40 | length 45.9
  L1_Top w0.25: C16.1 v1(6.509,25.654) 6.954,25.654 7.408,26.108 U4.40 ; U1.5 v1(13.121,11.614)
  L1_Top w0.5: TP1.1 CK1.1@10.7,11
  L4_Bottom w0.5: J1.1 1.2,32.06 1.2,24.7 ; v1(6.509,25.654) 5.754,25.654 4.8,24.7 1.2,24.7 ; v1(13.121,11.614) 8.114,11.614 TP1.1 4.041,11 1.198,13.844 1.198,24.698 1.2,24.7
VCORE: C18.1 U4.38 | length 4.4
  L1_Top w0.254: C18.1 6.509,28.956 6.9,28.565 6.9,27.8 7.592,27.108 U4.38
VPHY: C23.1 C24.1 CK2.2 U4.3 | length 8.3
  L1_Top w0.25: CK2.2 6.917,18.783 C24.1 9.4,18.883 9.995,18.288 C23.1 11.089,18.989 11.502,19.402 U4.3
VPLL: C25.1 C26.1 CK3.2 U4.8 | length 8
  L1_Top w0.25: U4.8 14.002,17.898 14.239,17.661 C25.1 14.764,16.236 15.519,15.481 CK3.2
VTG: C20.1 C21.1 C22.1 J3.1 J4.1 J5.2 J6.2 J7.10 J7.11 R5.1 R15.2 R20.1 TP2.1 U3.5 U5.5 U9.5 | length 160.4
  L1_Top w0.35: v1(12.5,37.5) J7.11 v1(12.5,40.2)
  L1_Top w0.5: J3.1@5.4,47.2 J3.1 12,47.2 J7.10
  L1_Top w0.8: R15.2 24.824,19.474 v1(24.824,19.62) ; C21.1 26.946,9.4 TP2.1 ; U5.5 28.067,13.284 28.067,13.117 28.25,13.3 v1(28.25,13.85) ; C20.1 29.255,21.455 v1(29.8,22) 30.105,22.305 U9.5 ; v1(38.9,9.2) 38.9,10.145 R5.1 ; U3.5 41.657,4.174 v1(41.737,4.254) 42.118,4.635 C22.1 ; R20.1 46.845,19.685 J4.1
  L3_Power w1: J3.1@5.4,47.2 J3.1 19.048,47.2 19.5,46.748 20.5,46.748 20.952,47.2 23.1,47.2 ; J6.2 25.68,38.82 23.548,40.952 23.548,43.101 23.952,43.506 23.952,44.294 23.1,45.147 23.1,47.2 ; TP2.1 28.702,9.952 38.148,9.952 v1(38.9,9.2) 39,9.3 44.8,9.3 ; v1(29.8,22) 29.8,23.053 29.448,23.406 29.448,29.101 33.152,32.806 33.152,34.052 33.8,34.7 ; v1(41.737,4.254) 42.754,4.254 44.8,6.3 44.8,9.3 ; J4.1 45.66,19.94 44.8,20.8 ; 23.1,47.2 31.6,47.2 33.8,45 33.8,34.7 ; 33.8,34.7 34.76,33.74 J5.2 37.3,30.653 41.573,26.381 41.573,25.981 42.131,25.423 43.324,25.423 44.8,23.947 44.8,20.8 ; 44.8,9.3 44.8,20.8
  L4_Bottom w1: v1(24.824,19.62) 24.824,19.076 28.3,15.6 28.3,10.5 28.15,10.35 TP2.1
pads on no net: J7.0

## Polygon pours and split planes (outlines as drawn)
GND on L2_GND "L2_GNDPoly" (solid, remove dead copper, pour order 0): -0.6,50.3 -0.3,50 50.3,50 50.3,-1.2 50.4,-1.3 49.9,-0.8 -0.5,-0.8
VTG on L3_Power "L3_VtgPoly" (solid, remove dead copper, pour order 4): 4.3,49.3 46.1,49.3 47.2,48.2 49.1,46.3 49.1,43.3 49.1,2.6 48.2,1.7 46.7,0.2 44.1,0.2 40.1,0.2 39.2,1.1 37.5,2.8 28.6,2.8 27.7,2.8 24.4,6.1 23.7,6.8 23.7,12.2 23.7,30.5 23.3,30.9 19.8,34.4 14.9,34.4 8.6,40.7 8.1,41.2 3.5,41.2 2.4,41.2 1.1,42.5 0.9,42.7 0.9,48.3 0.9,48.5 1.7,49.3
VCC3V3 on L3_Power "L3_VCC3Poly" (solid, remove dead copper, pour order 2): 1.2,40.1 8.3,40.1 11.2,37.2 14.7,33.7 18.4,33.7 19.9,33.7 22.3,31.3 23.7,29.9 35.7,29.9 36.9,29.9 43.3,23.5 43.3,17.6 43.3,7.6 36.4,0.7 21.8,0.7 6.85,0.7 5.35,2.2 3,2.2 0.3,4.9 0.2,5 0.2,39.5
GND on L4_Bottom "L4_GNDPoly" (solid, remove dead copper, pour order 6): -0.3,50 -0.25,50.05 50,50.05 50,-0.2 49.8,-0.4 49.6,-0.2 -0.6,-0.2

## Keep-outs
Keep-Out Layer:
  circle w0.1: c47,47 r2.5
  circle w0.1: c47,2.5 r2.5
  circle w0.1: c2.5,2.5 r2.5
  lines w0.15: 47.25,5.125 47.25,14.45 ; 47.25,14.475 49.4,14.475

## Other copper
L1_Top:
  rectangle net GND: 8.05,7.7 9.15,9.5
  rectangle net GND: 3.8,25.5 4.8,30.4
  text "L1" at 47.65,14 h1.2 r270
L2_GND:
  rectangle net GND: 8.25,7.979 9.001,8.9
  text "L2" at 47.65,12.138 h1.2 r270
L3_Power:
  text "L3" at 47.65,9.675 h1.2 r270
L4_Bottom:
  rectangle net GND: 8.3,7.95 9.05,8.85
  text "L4" at 47.65,7.225 h1.2 r270

## Silkscreen, mask and mechanical layers (free items; w line width, h text height)
Top Overlay:
  lines w0.762: 30.663,1.34 cw(c30.663,3.136) 30.663,4.932 ; 32.441,3.154 33.965,3.154 ; 34.219,1.34 cw(c34.219,3.136) 34.219,4.932
  text "3.3V" at 4.95,36.2 h1 r90
  text "5V" at 4.9,32.05 h1 r90
  text "'.BoardName'" at 18.85,5.5 h1.3
  text "Rev." at 20.8,3.1 h1.3
  text "'.BoardRevision'" at 24.65,3.1 h1.3
Mechanical 1:
  the board outline again, w0.1
AssemblyTOP:
  text "'.Layer_Name'" at 23.15,50.15 h0.85
  text "'.BoardRevision'" at 14.5,50.1 h0.85
  text "Rev." at 11.8,50.067 h0.85
  text "'.BoardName'" at 3.1,50.05 h0.85

## Text inside footprints (layer, text, board x,y; h text height)
J5: Top Overlay "1" at 40.37,32.18 h1.02 r90; Top Overlay "2" at 37.83,31.88 h1.02 r90; Top Overlay "10" at 37.77,45.16 h1.02 r90; Top Overlay "9" at 40.31,45.16 h1.02 r90
J6: Top Overlay "5" at 30.37,45.16 h1.02 r90; Top Overlay "2" at 27.89,36.96 h1.02 r90; Top Overlay "6" at 27.83,45.16 h1.02 r90; Top Overlay "1" at 30.43,37.26 h1.02 r90